# Altium PCB 28 pin project.PcbDoc (part 1 of 2)
Units mm, origin at the board's own origin, x right, y up, seen from the top; angles counter-clockwise.
Board outline 68.58 x 53.34 mm, 2 copper layers (L1, L2), stack 1.671 mm thick; 106 components, 71 nets, 323 pads, 100 vias.
Unrouted connection lines stored in the file: 1.
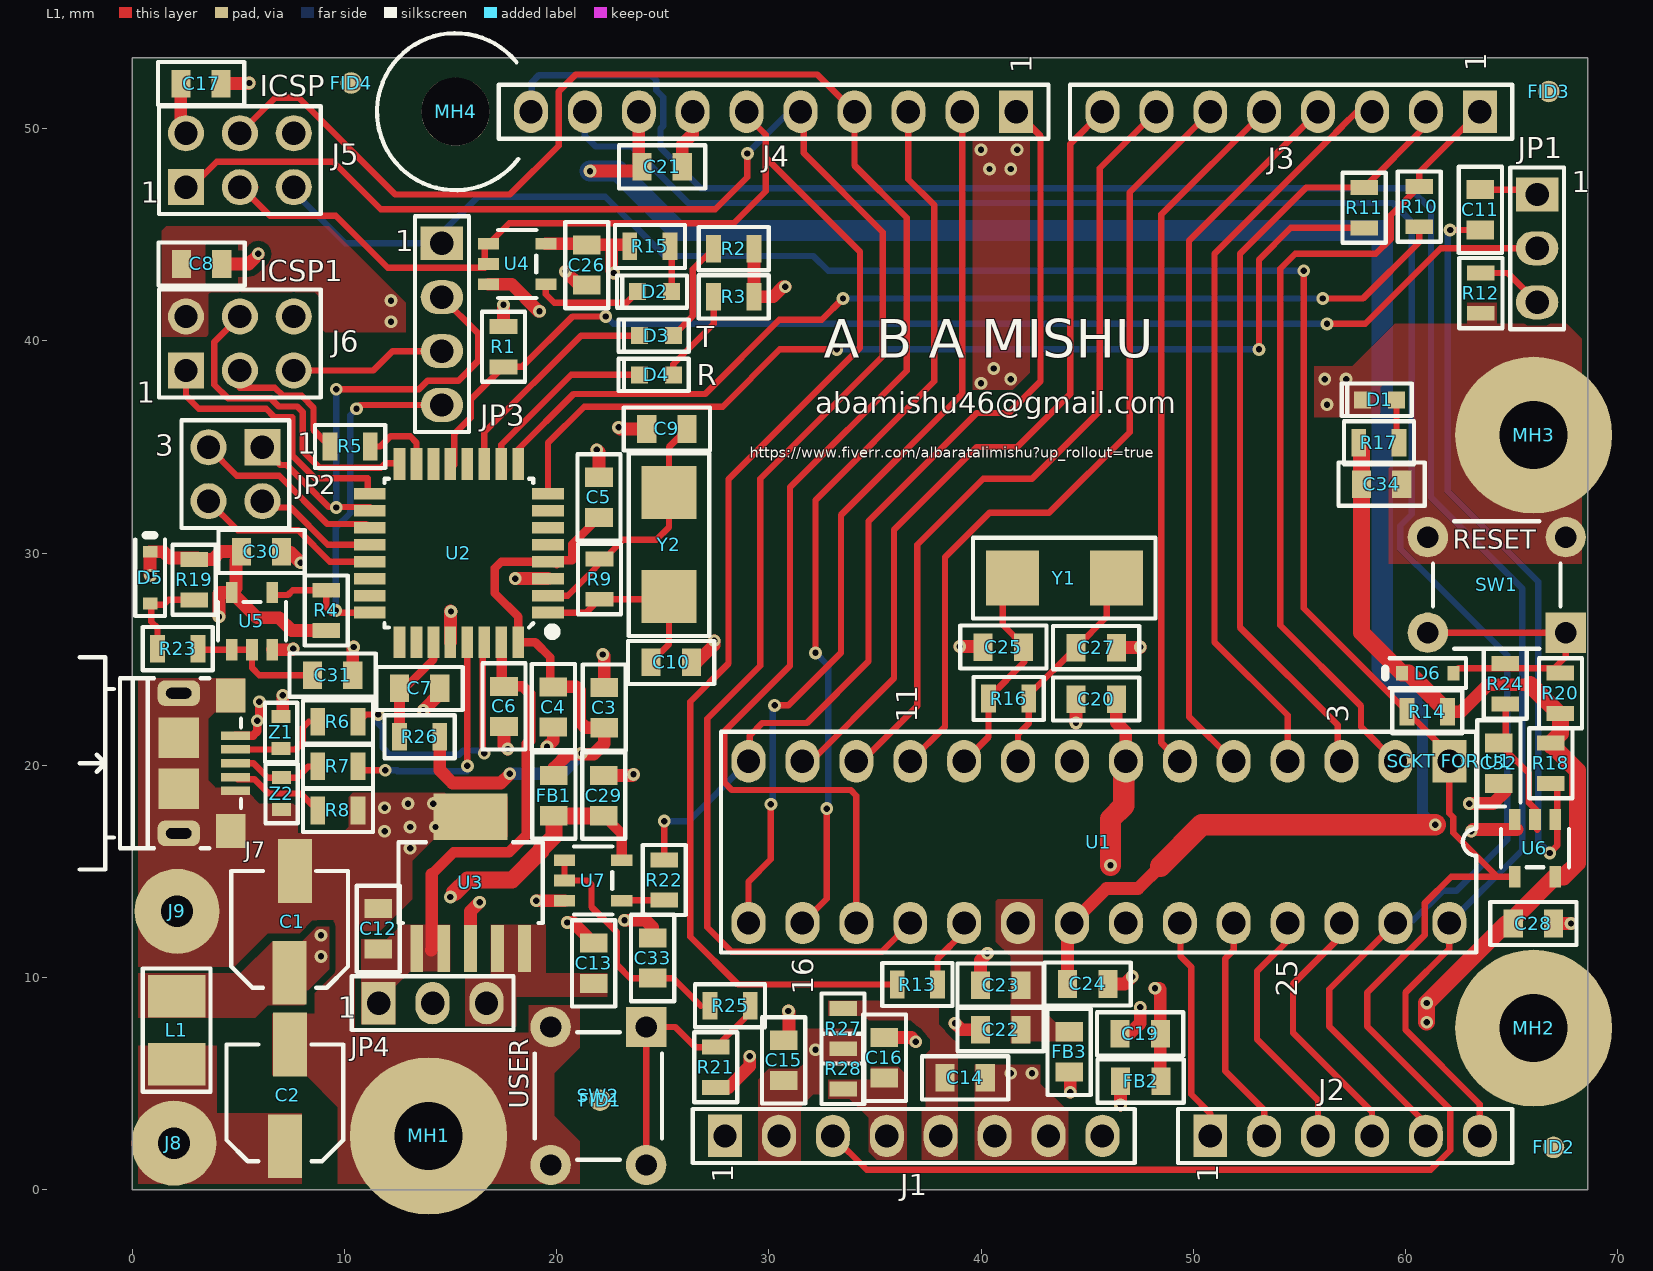
[diagram p0: L1 view]
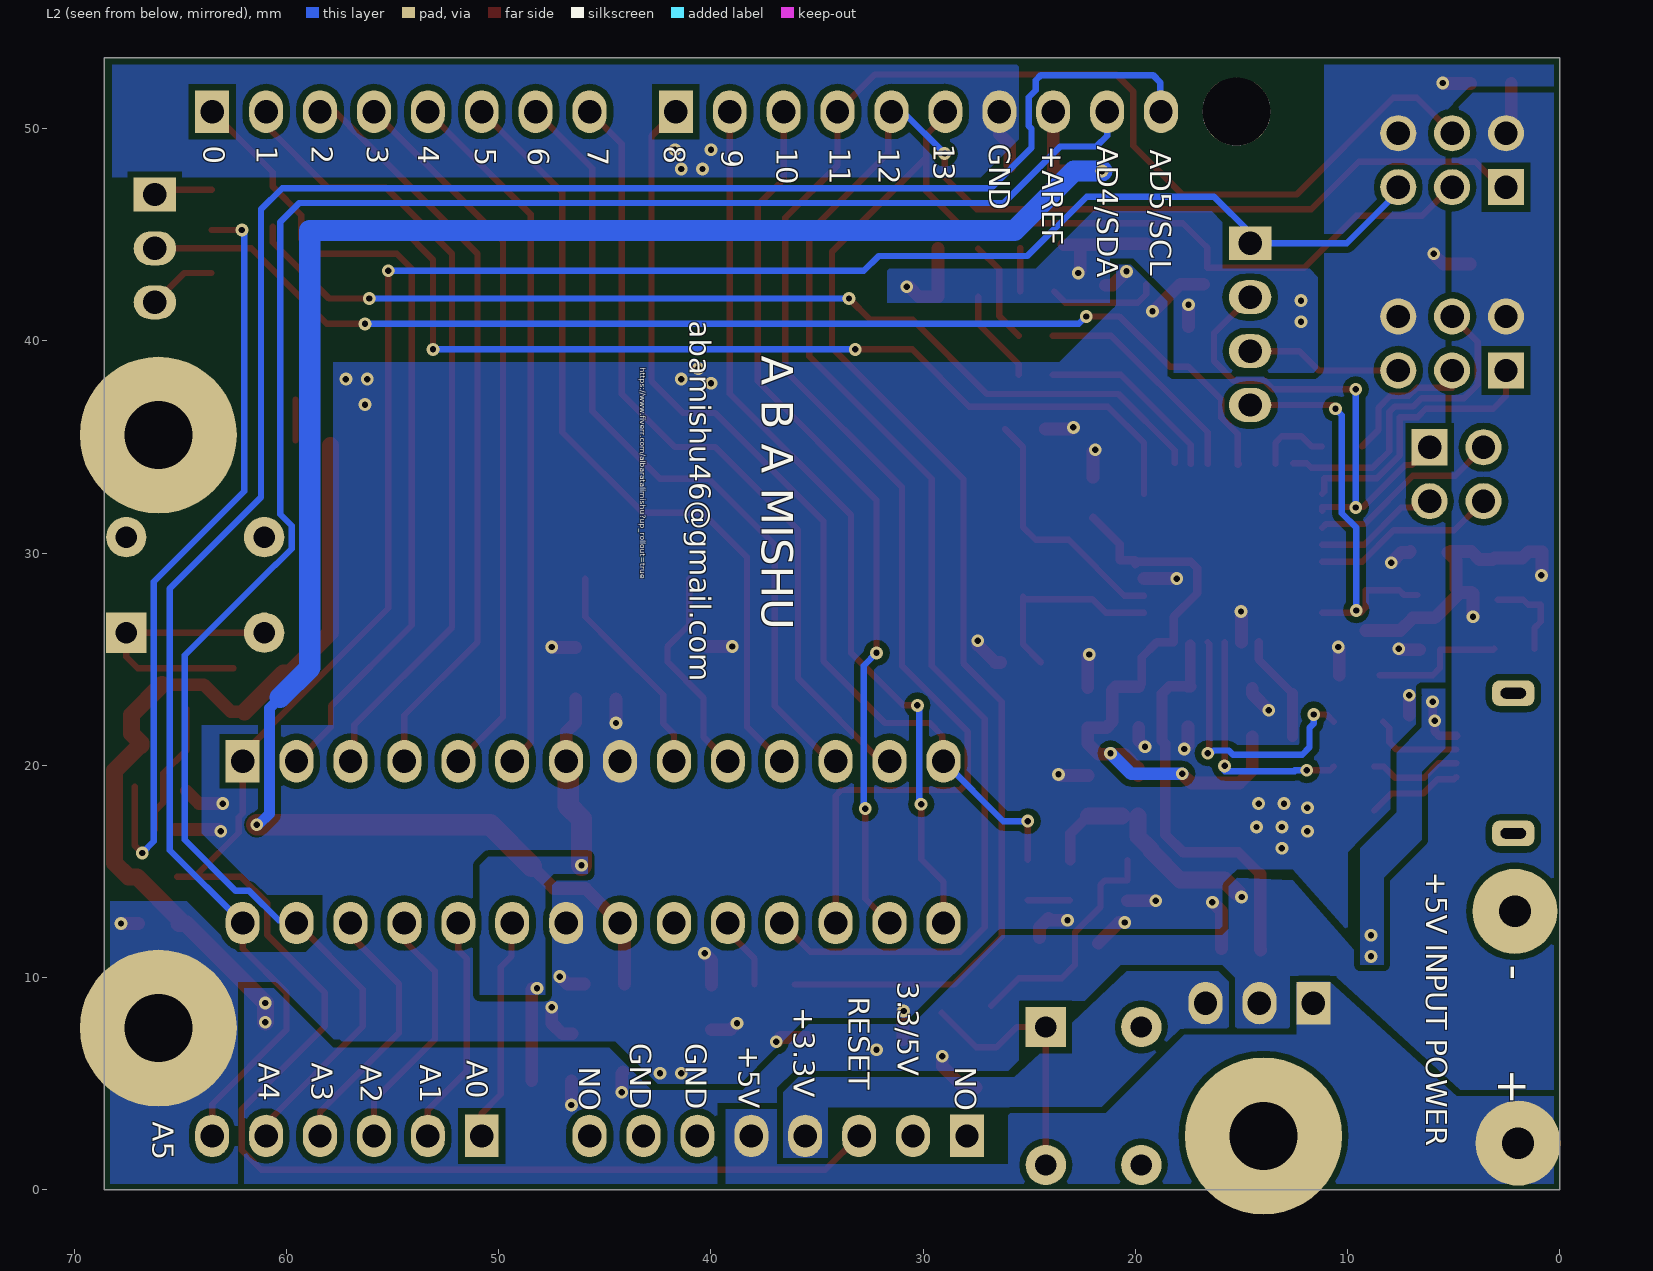
[diagram p1: L2 view, seen from below]

## Layer stack, top to bottom
Top Solder: solder mask 0.0102, Solder Resist, Dk 3.5
L1: signal copper 0.0356
Dielectric 1: dielectric 1.6, FR-4, Dk 4.8
L2: signal copper 0.0356
Bottom Solder: solder mask 0.0102, Solder Resist, Dk 3.5

## Board outline
0,0 68.58,0 68.58,53.34 0,53.34

## Design rules (kind name [scope] priority, off if disabled: settings)
Clearance "Around polygons" [IsRegion] p1: gap=0.3 ignorepadtopadclearanceinfootprint=FALSE
Clearance [All] p2: gap=0.2 ignorepadtopadclearanceinfootprint=FALSE
ComponentClearance "SW2 to FID1" [InComponent('SW2') vs InComponent('FID1')] p1: gap=0 collisioncheckmode=3 verticalgap=0 showdistances=FALSE
ComponentClearance "Power Resistors" [InComponent('R27') vs InComponent('R28')] p2: gap=0 collisioncheckmode=3 verticalgap=0 showdistances=FALSE
ComponentClearance "MH4 to FID4 and J4" [InComponent('MH4') vs InComponent('FID4')or InComponent('J4')] p3: gap=0 collisioncheckmode=3 verticalgap=0 showdistances=FALSE
ComponentClearance "DIP SOCKET to MH2 and U1" [InComponent('SCKT FOR U1') vs InComponent('MH2')or InComponent('U1')] p4: gap=0 collisioncheckmode=3 verticalgap=0 showdistances=FALSE
ComponentClearance "MH2 to J2" [InComponent('MH2') vs InComponent('J2')] p5: gap=0 collisioncheckmode=3 verticalgap=0 showdistances=FALSE
ComponentClearance [All] p6: gap=0.2 collisioncheckmode=3 verticalgap=0.2 showdistances=FALSE
HoleSize [All] p1: absolutevalues=TRUE maxlimit=10 minlimit=0.2 maxpercent=80.000 minpercent=20.000
HoleToHoleClearance [All] p1: gap=0.3 allowstackedmicrovias=TRUE
MinimumSolderMaskSliver [All] p1: minsoldermaskwidth=0.1
PolygonConnect [All] p1: connectstyle=Direct reliefconductorwidth=0.254 reliefentries=4 polygonreliefangle="90 Angle" airgapwidth=0.254
RoutingVias [All] p1: holewidth=0.3 width=0.6 viastyle="Through Hole" minholewidth=0.3 minwidth=0.6 maxholewidth=0.3 maxwidth=0.6
SilkToSilkClearance [All] p1: silktosilkclearance=0.1
SilkToSolderMaskClearance [IsPad] p1: minsilkscreentomaskgap=0.1 clearancetoexposedcopper=TRUE
SolderMaskExpansion [All] p1: expansion=0.1 istentingtop=FALSE
Width "Width POWERS" [InNet('+*') or InNet('GND')] p1: maxlimit=4 minlimit=0.4 preferedwidth=0.4
Width [All] p2: maxlimit=0.5 minlimit=0.3 preferedwidth=0.3
24 further rules are at their usual default settings.

## Components (designator, comment, footprint, x,y, rotation, side; value= is the part's Value field where it differs from the comment)
C1 "100u/ 10V" C_ALU_C_SIZE 7.425,12.275 r90 top
C2 "100u/ 10V" C_ALU_C_SIZE 7.2,4.1 r90 top
C3 "10uF/16V" "C0805 H150" 22.25,22.725 r270 top
C4 "100n" C0805 19.85,22.75 r90 top
C5 "100n" C0805 22,32.625 r270 top
C6 "100n" C0805 17.525,22.775 r90 top
C7 "1uF/25V" C0805 13.55,23.625 r180 top
C8 "100n" C0805 3.275,43.625 r180 top
C9 "18pF" C0805 25.2,35.85 r0 top
C10 "18pF" C0805 25.4,24.85 r180 top
C11 "100n" C0805 63.525,46.175 r90 top
C12 "10uF/16V" "C0805 H150" 11.6,12.3 r270 top
C13 "10uF/16V" "C0805 H150" 21.75,10.675 r270 top
C14 "100n" C0805 39.25,5.275 r180 top
C15 "100n" C0805 30.7,6.1 r270 top
C16 "100n" C0805 35.45,6.225 r270 top
C17 "100n" C0805 3.25,52.125 r180 top
C19 "10uF/16V" "C0805 H150" 47.5,7.35 r0 top
C20 "100n" C0805 45.425,23.125 r0 top
C21 "10uF/16V" "C0805 H150" 24.975,48.2 r180 top
C22 "10uF/16V" "C0805 H150" 40.925,7.55 r0 top
C23 "100n" C0805 40.925,9.65 r0 top
C24 "100n" C0805 45.025,9.7 r180 top
C25 "18pF" C0805 41.05,25.575 r0 top
C26 "100n" C0805 21.425,43.575 r90 top
C27 "18pF" C0805 45.425,25.55 r180 top
C28 "100n" C0805 66.025,12.55 r180 top
C29 "100n" C0805 22.225,18.575 r270 top
C30 "100n" C0805 6.1,30.075 r180 top
C31 "100n" C0805 9.45,24.25 r180 top
C32 "100n" C0805 64.4,20.1 r270 top
C33 "100n" C0805 24.525,10.925 r270 top
C34 "10uF/16V" "C0805 H150" 58.875,33.25 r180 top
D1 "Green" LED_0603 58.775,37.225 r0 top
D2 "Orange" LED_0603 24.625,42.325 r0 top
D3 "Orange" LED_0603 24.7,40.25 r0 top
D4 "Orange" LED_0603 24.7,38.4 r0 top
D5 "BAT54HT1GOSCT-ND" SOD323 0.85,28.844 r270 top
D6 "BAT54HT1GOSCT-ND" SOD323 61.05,24.35 r0 top
FB1 "MPZ2012S601AT000" C0805 19.875,18.575 r90 top
FB2 "MPZ2012S601AT000" C0805 47.525,5.125 r0 top
FB3 "MPZ2012S601AT000" C0805 44.15,6.5 r90 top
FID1 "FID_1MMC" FID_40X120D 22.05,4.225 r0 top
FID2 "FID_1MMC" FID_40X120D 66.975,2 r90 top
FID3 "FID_1MMC" FID_40X120D 66.75,51.75 r90 top
FID4 "FID_1MMC" FID_40X120D 10.325,52.15 r90 top
J1 "HDR FEMALE 1X8 2.54" "HDR FEMALE 1X8 2.54mm" 27.94,2.54 r90 top locked
J2 "HDR FEMALE 1X6 2.54mm" "HDR FEMALE 1X6 2.54mm" 50.8,2.54 r90 top locked
J3 "HDR FEMALE 1X8 2.54" "HDR FEMALE 1X8 2.54mm" 63.5,50.8 r270 top locked
J4 "HDR FEMALE 1X10 2.54mm" "HDR FEMALE 1X10 2.54mm" 41.656,50.8 r270 top locked
J5 "HDR 2X3" "HDR 2X3 2.54mm" 2.54,47.244 r90 top locked
J6 "HDR 2X3" "HDR 2X3 2.54mm" 2.54,38.608 r90 top locked
J7 "10118193-0001LF" 10118193 3.537,20.1 r270 top locked
J8 "4MMx1.5MM" PAD_WITH_HOLE_4MMx1.5MM 3.375,2.6 r0 top
J9 "4MMx1.5MM" PAD_WITH_HOLE_4MMx1.5MM 3.525,13.525 r0 top
JP1 "HDR 1X3" "HDR 1X3 2.54mm" 66.2,46.9 r0 top locked
JP2 "HDR 2X2" "HDR 2X2 2.54mm" 4.87,33.72 r270 top locked
JP3 "HDR 1X4" "HDR 1X4 2.54mm" 14.6,44.6 r0 top locked
JP4 "HDR 1X3" "HDR 1X3 2.54mm" 11.62,8.8 r90 top locked
L1 "2u2/2A" C1210_IND 2.1,7.525 r270 top
MH1 "MH_7.4MMC_3.2MMD" MH_7.4MMC_3.2MMD 13.97,2.54 r0 top locked
MH2 "MH_7.4MMC_3.2MMD" MH_7.4MMC_3.2MMD 66.04,7.62 r0 top locked
MH3 "MH_7.4MMC_3.2MMD" MH_7.4MMC_3.2MMD 66.04,35.56 r0 top locked
MH4 "MH_7.4MMNC_3.2MMD" "MH_7.4MMNC_3.2MMD_NON COPPER_NPTH" 15.24,50.8 r0 top locked
R1 "100K" R0805 17.5,39.725 r90 top
R2 "560R" R0805 28.35,44.35 r0 top
R3 "560R" R0805 28.35,42.075 r0 top
R4 "10K" R0805 9.15,27.3 r270 top
R5 "22R" R0805 10.275,35.025 r180 top
R6 "22R" R0805 9.7,22.05 r0 top
R7 "22R" R0805 9.7,19.95 r0 top
R8 "0R" R0805 9.7,17.875 r0 top
R9 "1M" R0805 22.025,28.775 r90 top
R10 "1K" R0805 60.65,46.325 r90 top
R11 "1K" R0805 58.05,46.275 r90 top
R12 "1K" R0805 63.55,42.25 r90 top
R13 "22R" R0805 37,9.675 r180 top
R14 "10K" R0805 61.025,22.525 r0 top
R15 "560R" R0805 24.4,44.45 r180 top
R16 "1M" R0805 41.3,23.15 r180 top
R17 "560R" R0805 58.75,35.2 r180 top
R18 "10K" R0805 66.85,20.1 r90 top
R19 "10K" R0805 2.925,28.75 r90 top
R20 "10K" R0805 67.3,23.4 r270 top
R21 "10K" R0805 27.5,5.775 r270 top
R22 "560R" R0805 25.075,14.6 r90 top
R23 "22R" R0805 2.15,25.5 r0 top
R24 "22R" R0805 64.7,23.85 r270 top
R25 "22R" R0805 28.175,8.675 r180 top
R26 "0R" R0805 13.55,21.35 r0 top
R27 "0R" R0805 33.5,7.6 r270 top
R28 "0R" R0805 33.5,5.7 r270 top
"SCKT FOR U1" "28-DIP SOCKET" 28_DIP_7.62MM_SOCKET 62.065,20.193 r270 top
SW1 "FSM4JH" FSM4JH 64.3,28.5 r270 top
SW2 "FSM4JH" FSM4JH 21.975,4.425 r0 top
U1 "ATMEGA328P-PU" 28_DIP_7.62MM 62.065,20.193 r270 top locked
U2 "ATMEGA16U2-AU" TQFP32 15.4,30 r180 top locked
U3 "TL1963A-33DCQR" DCQ(R-PDSO-G6) 15.95,14.475 r90 top
U4 "SN74AHC1G09DBVR" DVB_SOT_23_5 18.15,43.625 r0 top
U5 "SN74AHC1G09DBVR" DVB_SOT_23_5 5.65,26.8 r90 top
U6 "SN74AHC1G09DBVR" DVB_SOT_23_5 66.1,16.1 r270 top
U7 "SN74AHC1G09DBVR" DVB_SOT_23_5 21.725,14.575 r0 top
Y1 "ABM7-16.000MHZ-D2Y-T" ABM7_v1_1_BIG 43.925,28.825 r180 top
Y2 "ABM7-16.000MHZ-D2Y-T" ABM7_v1_1_BIG 25.3,30.4 r90 top
Z1 "CG0603MLC-05E" R0603 7.025,21.55 r270 top
Z2 "CG0603MLC-05E" R0603 7.05,18.675 r90 top

## Footprints (in the part's own frame and the unit in brackets; to place one, negate y for a bottom-side part, rotate by r counter-clockwise, add the part's x,y. Pads: shape width x height; smd on the part's side, far side on the other; paste and mask are expansions set on the pad)
28_DIP_7.62MM [mm]
  rect 2x1.6 hole 1.1: 1(0,0)
  oval 2x1.6 hole 1.1: 2(0,-2.54) 3(0,-5.08) 4(0,-7.62) 5(0,-10.16) 6(0,-12.7) 7(0,-15.24) 8(0,-17.78) 9(0,-20.32) 10(0,-22.86) 11(0,-25.4) 12(0,-27.94) 13(0,-30.48) 14(0,-33.02) 15(7.62,-33.02) 16(7.62,-30.48) 17(7.62,-27.94) 18(7.62,-25.4) 19(7.62,-22.86) 20(7.62,-20.32) 21(7.62,-17.78) 22(7.62,-15.24) 23(7.62,-12.7) 24(7.62,-10.16) 25(7.62,-7.62) 26(7.62,-5.08) 27(7.62,-2.54) 28(7.62,0)
  silkscreen extent -1.39,-34.31 9.01,1.27, body extent -0.13,-34.5 7.75,1.44, height 7.55
28_DIP_7.62MM_SOCKET [mm]
  body extent -1.24,-34.26 8.86,1.24, height 4.2
10118193 [mm]
  rect 0.4x1.35 smd mask+0.05: 1(-1.3,1.338) 2(-0.65,1.338) 3(0,1.338) 4(0.65,1.338) 5(1.3,1.338)
  rect 1.6x1.4 smd: 6(-3.2,1.112) 7(3.2,1.112)
  rrect60% 1.2x2 hole 0.5 slot 1.2 at 90 deg: 8(-3.3,-1.338) 9(3.3,-1.338)
  rect 1.9x1.9 smd: 10(-1.2,-1.338) 11(1.2,-1.338)
  silkscreen extent -5,-6 5,1.6, body extent -3.93,-4.06 3.93,1.6, height 2.81
ABM7_v1_1_BIG [mm]
  rect 2.5x2.6 smd: 1(-2.45,0) 2(2.45,0)
  silkscreen extent -4.3,-1.9 4.3,1.9, body extent -3,-1.75 3,1.75, height 1.41
C0805 [mm]
  rect 0.9x1.3 smd: 1(-0.95,0) 2(0.95,0)
  silkscreen extent -2.03,-1.02 2.03,1.02, body extent -1,-0.6 1,0.6, height 0.96
"C0805 H150" [mm]
  rect 0.9x1.3 smd: 1(-0.95,0) 2(0.95,0)
  silkscreen extent -2.03,-1.02 2.03,1.02, body extent -1,-0.6 1,0.6, height 1.46
C1210_IND [mm]
  rect 2x2.7 smd: 1(-1.6,0) 2(1.6,0)
  silkscreen extent -2.9,-1.6 2.9,1.6, body extent -1.6,-1.25 1.6,1.25, height 2.7
C_ALU_C_SIZE [mm]
  rect 3x1.6 smd: 1(-2.05,0) 2(2.75,-0.25)
  silkscreen extent -2.75,-2.75 2.75,2.75, body extent -2.95,-2.65 2.95,2.65, height 5.41
DCQ(R-PDSO-G6) [mm]
  rect 2.2x0.6 smd: 1(-3.1,2.54) 2(-3.1,1.27) 3(-3.1,0) 4(-3.1,-1.27) 5(-3.1,-2.54)
  rect 2.2x3.5 smd: 6(3.1,0)
  silkscreen extent -1.9,-3.4 1.9,3.4, body extent -3.63,-3.27 3.63,3.28, height 1.79
DVB_SOT_23_5 [mm]
  rect 1x0.55 smd: 1(-1.35,0.95) 2(-1.35,0) 3(-1.35,-0.95) 4(1.35,-0.95) 5(1.35,0.95)
  silkscreen extent -0.9,-1.6 0.9,1.6, body extent -1.51,-1.52 1.51,1.53, height 1.61
FID_40X120D [mil]
  round 40 smd paste-40 mask+40: 1(0,0)
FSM4JH [mm]
  rect 1.9x1.9 hole 1: 1(2.25,3.25)
  round 1.9 hole 1: 2(2.25,-3.25) 3(-2.25,3.25) 4(-2.25,-3.25)
  silkscreen extent -3,-3 3,3, body extent -3,-3.9 2.99,3.9, height 5
"HDR 1X3 2.54mm" [mm]
  rect 2x1.6 hole 1.1: 1(0,0)
  oval 2x1.6 hole 1.1: 2(0,-2.54) 3(0,-5.08)
  silkscreen extent -1.27,-6.35 1.27,1.27, body extent -1.2,-6.15 1.2,1.07, height 8.39
"HDR 1X4 2.54mm" [mm]
  rect 2x1.6 hole 1.1: 1(0,0)
  oval 2x1.6 hole 1.1: 2(0,-2.54) 3(0,-5.08) 4(0,-7.62)
  silkscreen extent -1.27,-8.89 1.27,1.27, body extent -1.2,-8.69 1.2,1.07, height 8.39
"HDR 2X2 2.54mm" [mm]
  rect 1.7x1.7 hole 1.1: 1(-1.27,1.27)
  round 1.7 hole 1.1: 2(1.27,1.27) 3(-1.27,-1.27) 4(1.27,-1.27)
  silkscreen extent -2.54,-2.54 2.54,2.54, body extent -2.46,-2.5 2.54,2.58, height 8.01
"HDR 2X3 2.54mm" [mm]
  rect 1.7x1.7 hole 1.1: 1(0,0)
  round 1.7 hole 1.1: 2(2.54,0) 3(0,-2.54) 4(2.54,-2.54) 5(0,-5.08) 6(2.54,-5.08)
  silkscreen extent -1.27,-6.35 3.81,1.27, body extent -1.23,-6.35 3.77,1.27, height 8.01
"HDR FEMALE 1X6 2.54mm" [mm]
  rect 2x1.6 hole 1.1: 1(0,0)
  oval 2x1.6 hole 1.1: 2(0,-2.54) 3(0,-5.08) 4(0,-7.62) 5(0,-10.16) 6(0,-12.7)
  silkscreen extent -1.27,-14.22 1.27,1.52, body extent -1.25,-14.17 1.25,1.47, height 8.31
"HDR FEMALE 1X8 2.54mm" [mm]
  rect 2x1.6 hole 1.1: 1(0,0)
  oval 2x1.6 hole 1.1: 2(0,-2.54) 3(0,-5.08) 4(0,-7.62) 5(0,-10.16) 6(0,-12.7) 7(0,-15.24) 8(0,-17.78)
  silkscreen extent -1.27,-19.3 1.27,1.52, body extent -1.25,-19.25 1.25,1.47, height 8.31
"HDR FEMALE 1X10 2.54mm" [mm]
  rect 2x1.6 hole 1.1: 1(0,0)
  oval 2x1.6 hole 1.1: 2(0,-2.54) 3(0,-5.08) 4(0,-7.62) 5(0,-10.16) 6(0,-12.7) 7(0,-15.24) 8(0,-17.78) 9(0,-20.32) 10(0,-22.86)
  silkscreen extent -1.27,-24.38 1.27,1.52, body extent -1.25,-24.33 1.25,1.47, height 8.31
LED_0603 [mm]
  rect 0.8x0.8 smd: 1(-0.8,0) 2(0.8,0)
  silkscreen extent -1.78,-0.76 1.52,0.76, body extent -0.85,-0.4 0.85,0.4, height 0.66
MH_7.4MMC_3.2MMD [mm]
  round 7.4 hole 3.2: 1(0,0)
"MH_7.4MMNC_3.2MMD_NON COPPER_NPTH" [mm]
  round 3.2 hole 3.2 unplated: 1(0,0)
  silkscreen extent -3.7,-3.7 2.96,3.7
PAD_WITH_HOLE_4MMx1.5MM [mm]
  round 4 hole 1.5: 1(-1.4,-0.4)
R0603 [mm]
  rect 0.6x0.9 smd: 1(-0.75,0) 2(0.75,0)
  silkscreen extent -1.4,-0.76 1.4,0.76, body extent -0.8,-0.4 0.8,0.4, height 0.85
R0805 [mm]
  rect 0.7x1.3 smd: 1(-0.95,0) 2(0.95,0)
  silkscreen extent -1.65,-1.02 1.65,1.02, body extent -1,-0.6 1,0.6, height 0.71
SOD323 [mil]
  rect 22x27 smd: 1(-48,0) 2(48,0)
  silkscreen extent -79,-28 71,28, body extent -49,-25 49,25, height 39
TQFP32 [mm]
  rect 1.5x0.55 smd mask+0.06: 1(-4.2,2.8) 2(-4.2,2) 3(-4.2,1.2) 4(-4.2,0.4) 5(-4.2,-0.4) 6(-4.2,-1.2) 7(-4.2,-2) 8(-4.2,-2.8) 17(4.2,-2.8) 18(4.2,-2) 19(4.2,-1.2) 20(4.2,-0.4) 21(4.2,0.4) 22(4.2,1.2) 23(4.2,2) 24(4.2,2.8)
  rect 0.55x1.5 smd mask+0.06: 9(-2.8,-4.2) 10(-2,-4.2) 11(-1.2,-4.2) 12(-0.4,-4.2) 13(0.4,-4.2) 14(1.2,-4.2) 15(2,-4.2) 16(2.8,-4.2) 25(2.8,4.2) 26(2,4.2) 27(1.2,4.2) 28(0.4,4.2) 29(-0.4,4.2) 30(-1.2,4.2) 31(-2,4.2) 32(-2.8,4.2)
  silkscreen extent -4.54,-3.5 3.5,3.84, body extent -4.6,-4.6 4.6,4.6, height 1.2

## Part data
C1 C2: library part EEE-1AA101WR, "Cap Aluminum 100uF 10V 20% (5 X 5.4mm) SMD 50mA 1000 hr 85°C T/R", Capacitance=100uF, Case/Package=Radial, Manufacturer=Panasonic, Max Operating Temperature=85°C, Min Operating Temperature=-40°C, Package Quantity=1, Ripple Current=50mA, Supplier Part Number 1=PCE3867DKR-ND, Tolerance=20%, Voltage Rating=10V, ComponentLink1Description=https://industrial.panasonic.com/cdbs/www-data/pdf/RDE0000/DME0000COL90.pdf?src-supplier=Mouser, ComponentLink1URL=https://industrial.panasonic.com/cdbs/www-data/pdf/RDE0000/DME0000COL90.pdf?src-supplier=Mouser, ComponentLink2Description=https://industrial.panasonic.com/cdbs/www-data/pdf/RDE0000/DME0000COL90.pdf?src-supplier=Allied+Electronics, ComponentLink2URL=https://industrial.panasonic.com/cdbs/www-data/pdf/RDE0000/DME0000COL90.pdf?src-supplier=Allied+Electronics, ComponentLink3Description=https://industrial.panasonic.com/cdbs/www-data/pdf/RDE0000/DME0000COL90.pdf?src-supplier=Avnet, ComponentLink3URL=https://industrial.panasonic.com/cdbs/www-data/pdf/RDE0000/DME0000COL90.pdf?src-supplier=Avnet, ComponentLink4Description=http://industrial.panasonic.com/www-data/pdf/ABA0000/ABA0000CE2.pdf?src-supplier=Future+Electronics, ComponentLink4URL=http://industrial.panasonic.com/www-data/pdf/ABA0000/ABA0000CE2.pdf?src-supplier=Future+Electronics, ComponentLink5Description=https://industrial.panasonic.com/cdbs/www-data/pdf/RDE0000/DME0000COL90.pdf?src-supplier=Verical, ComponentLink5URL=https://industrial.panasonic.com/cdbs/www-data/pdf/RDE0000/DME0000COL90.pdf?src-supplier=Verical, Construction=Cylindrical, Contact Plating=Tin, Diameter=5mm, Height=5.4mm, Height - Seated (Max)=0.213inch, Lead Free="Lead Free", Length=5.5mm, Life (Hours)=1000Hour, Manufacturer Part Number=EEE-1AA101WR, Mount="Surface Mount,PCB", Packaging="Tape and Reel", Pricing 1="1=0.39, 10=0.266, 50=0.1772, 100=0.1505, 500=0.1063 (USD)", Radiation Hardening=No, REACH SVHC=Unknown, Ripple Current (AC)=50mA, RoHS Compliant=Yes, Series=S, Stock 1=0, Supplier 1=Digi-Key, Termination=SMD/SMT, Voltage Rating (DC)=10V
C3 C12 C13 C19 C21 C22 C34: library part C2012X5R1C106M125AC, "CERAMIC CAPACITOR, 10UF, 16V, X5R, 20%, 0805, FULL REEL; Product Range:C Series; Capacitance:10 F; Capacitance Tolerance: 20%; Dielectric Characteristic:X5R; Voltage Rating:16V; Ceramic Capacitor Case:0805 [2012 Metric]; MSL:- ;RoHS Compliant: Yes", Capacitance=10uF, Case/Package=0805, Case Code (Metric)=2012, Dielectric=X5R, Dielectric Material=Ceramic, Manufacturer=TDK, Max Operating Temperature=85°C, Min Operating Temperature=-55°C, Package Quantity=1, Supplier Part Number 1=445-4115-6-ND, Tolerance=20%, Voltage Rating=16V, Case Code (Imperial)=0805, ComponentLink1Description=https://product.tdk.com/info/en/documents/chara_sheet/C2012X5R1C106M125AC.pdf?src-supplier=Newark, ComponentLink1URL=https://product.tdk.com/info/en/documents/chara_sheet/C2012X5R1C106M125AC.pdf?src-supplier=Newark, ComponentLink2Description=http://www.farnell.com/datasheets/1913358.pdf?src-supplier=Element14, ComponentLink2URL=http://www.farnell.com/datasheets/1913358.pdf?src-supplier=Element14, ComponentLink3Description=https://media.digikey.com/pdf/Data%20Sheets/TDK%20PDFs/Multilayer%20Ceramic%20Chip%20Cap(up%20to%2050V).pdf?src-supplier=Digi-Key, ComponentLink3URL=https://media.digikey.com/pdf/Data%20Sheets/TDK%20PDFs/Multilayer%20Ceramic%20Chip%20Cap(up%20to%2050V).pdf?src-supplier=Digi-Key, Depth=1.25mm, Height=1.25mm, Lead Free="Lead Free", Length=0.079inch, Manufacturer Part Number=C2012X5R1C106M125AC, Mount="Surface Mount", Number of Pins=2, Packaging="Tape and Reel", REACH SVHC="No SVHC", Resistor Type=Ceramic, RoHS Compliant=Yes, Series=C, Stock 1=0, Supplier 1=Digi-Key, Termination=SMD/SMT, Thickness=0.057inch, Voltage Rating (DC)=16V, Weight=0.000194oz, Width=0.049inch
C4 C5 C6 C8 C11 C14 C15 C16 C17 C20 C23 C24 C26 C28 C29 C30 C31 C32 C33: library part C2012X7R1H104K085AA, "TDK - C2012X7R1H104K085AA - SMD Multilayer Ceramic Capacitor, 0.1 µF, 50 V, 0805 [2012 Metric], ± 10%, X7R, C Series", Capacitance=100nF, Case/Package=0805, Case Code (Metric)=2012, Dielectric=X7R, Dielectric Material=Ceramic, Manufacturer=TDK, Max Operating Temperature=125°C, Min Operating Temperature=-55°C, Package Quantity=1, Supplier Part Number 1=445-7534-6-ND, Tolerance=10%, Voltage=50V, Case Code (Imperial)=0805, ComponentLink1Description=http://www.farnell.com/datasheets/1796654.pdf?src-supplier=Newark, ComponentLink1URL=http://www.farnell.com/datasheets/1796654.pdf?src-supplier=Newark, ComponentLink2Description=http://www.farnell.com/datasheets/1571323.pdf?src-supplier=Element14, ComponentLink2URL=http://www.farnell.com/datasheets/1571323.pdf?src-supplier=Element14, ComponentLink3Description=https://product.tdk.com/info/en/catalog/datasheets/mlcc_commercial_general_en.pdf?src-supplier=Digi-Key, ComponentLink3URL=https://product.tdk.com/info/en/catalog/datasheets/mlcc_commercial_general_en.pdf?src-supplier=Digi-Key, ComponentLink4Description=http://uk.rs-online.com/webdocs/1532/0900766b81532cd0.pdf?src-supplier=RSComponents, ComponentLink4URL=http://uk.rs-online.com/webdocs/1532/0900766b81532cd0.pdf?src-supplier=RSComponents, ComponentLink5Description=http://www.tdk.co.jp/tefe02/e412_c.pdf?src-supplier=Future+Electronics, ComponentLink5URL=http://www.tdk.co.jp/tefe02/e412_c.pdf?src-supplier=Future+Electronics, Construction=Flat, Depth=1.25mm, Height=0.85mm, Lead Free="Lead Free", Length=2mm, Manufacturer Part Number=C2012X7R1H104K085AA, Mount="Surface Mount", Number of Pins=2, Packaging="Tape and Reel", Pricing 1="1=0.15, 10=0.109, 50=0.0616, 100=0.051, 500=0.0358, 1000=0.0296 (USD)", Radiation Hardening=No, REACH SVHC="No SVHC", Resistor Type=Ceramic, RoHS Compliant=Yes, Series=C, Stock 1=570877, Supplier 1=Digi-Key, Termination=SMD/SMT, Thickness=0.037inch, Voltage Rating=50V, Voltage Rating (DC)=50V, Weight=0.000194oz, Width=0.049inch
C7: library part C2012X5R1E105K125AA, "TDK - C2012X5R1E105K125AA - SMD Multilayer Ceramic Capacitor, 1 µF, 25 V, 0805 [2012 Metric], ± 10%, X5R, C Series", Capacitance=1uF, Case/Package=0805, Case Code (Metric)=2012, Dielectric=X5R, Dielectric Material=Ceramic, Manufacturer=TDK, Max Operating Temperature=85°C, Min Operating Temperature=-55°C, Package Quantity=2000, Supplier Part Number 1=445-1419-2-ND, Tolerance=10%, Voltage=25V, Case Code (Imperial)=0805, ComponentLink1Description=http://www.farnell.com/datasheets/1744655.pdf?src-supplier=Element14, ComponentLink1URL=http://www.farnell.com/datasheets/1744655.pdf?src-supplier=Element14, ComponentLink2Description=http://uk.rs-online.com/webdocs/1532/0900766b81532cd0.pdf?src-supplier=RSComponents, ComponentLink2URL=http://uk.rs-online.com/webdocs/1532/0900766b81532cd0.pdf?src-supplier=RSComponents, ComponentLink3Description=http://www.tdk.co.jp/tefe02/e412_c.pdf?src-supplier=Future+Electronics, ComponentLink3URL=http://www.tdk.co.jp/tefe02/e412_c.pdf?src-supplier=Future+Electronics, ComponentLink4Description=https://product.tdk.com/info/en/catalog/spec/mlccspec_commercial_general_midvoltage_en.pdf?src-supplier=Verical, ComponentLink4URL=https://product.tdk.com/info/en/catalog/spec/mlccspec_commercial_general_midvoltage_en.pdf?src-supplier=Verical, Construction=Flat, Depth=1.25mm, Height=1.25mm, Lead Free="Lead Free", Length=2mm, Manufacturer Part Number=C2012X5R1E105K125AA, Mount="Surface Mount", Number of Pins=2, Packaging="Tape and Reel", Pricing 1="2000=0.0486 (USD)", Radiation Hardening=No, REACH SVHC="No SVHC", Resistor Type=Ceramic, RoHS Compliant=Yes, Series=C, Stock 1=14000, Supplier 1=Digi-Key, Termination=SMD/SMT, Thickness=0.057inch, Voltage Rating=25V, Voltage Rating (DC)=25V, Weight=0.000194oz, Width=0.049inch
C9 C10 C25 C27: library part C0805C180J5GACTU, "CAP CER 18PF 50V C0G/NP0 0805", Case/Package=0805, Case Code (Metric)=2012, Dielectric=C0G, Dielectric Material=Ceramic, Manufacturer=KEMET, Max Operating Temperature=125°C, Min Operating Temperature=-55°C, Package Quantity=1, Supplier Part Number 1=399-1112-6-ND, Temperature Coefficient=30ppm/°C, Tolerance=5%, Voltage=50V, Capacitance=18pF, Case Code (Imperial)=0805, ComponentLink1Description=http://www.farnell.com/datasheets/1769375.pdf?src-supplier=Element14, ComponentLink1URL=http://www.farnell.com/datasheets/1769375.pdf?src-supplier=Element14, ComponentLink2Description=https://www.verical.com/server-webapp/html/getDatasheet?partID=759702&src-supplier=Verical, ComponentLink2URL=https://www.verical.com/server-webapp/html/getDatasheet?partID=759702&src-supplier=Verical, ComponentLink3Description=https://www.verical.com/server-webapp/html/getDatasheet?partID=385668&src-supplier=Verical, ComponentLink3URL=https://www.verical.com/server-webapp/html/getDatasheet?partID=385668&src-supplier=Verical, Construction=Flat, Contact Material=Tin, Contact Plating=Tin,Matte, Depth=1.25mm, Dissipation Factor=0.1%, Height=0.78mm, Lead Free="Lead Free", Lead Pitch=0.75mm, Length=2mm, Manufacturer Part Number=C0805C180J5GACTU, Mount="Surface Mount,PCB", Number of Pins=2, Packaging="Tape and Reel", Pricing 1="1=0.13, 10=0.09, 50=0.0514, 100=0.0425, 500=0.0298, 1000=0.0247 (USD)", Radiation Hardening=No, REACH SVHC="No SVHC", RoHS Compliant=Yes, Series=C, Stock 1=40735, Supplier 1=Digi-Key, Termination=SMD/SMT, Thickness=0.035inch, Voltage Rating=50V, Voltage Rating (DC)=50V, Width=1.2mm
D1: library part LGL29K-G2J1-24-Z, "LED Uni-Color Green 572nm 2-Pin Chip 0603(1608Metric) T/R", Case/Package=0603, Case Code (Metric)=1608, Forward Current=20mA, Forward Voltage=2.2V, Lens Color=White, Manufacturer="Osram Opto", Max Operating Temperature=100°C, Min Operating Temperature=-40°C, Package Quantity=5000, Reverse Voltage=12V, Supplier Part Number 1=475-2709-2-ND, Test Current=2mA, Case Code (Imperial)=0603, Color=Green, ComponentLink1Description=https://dammedia.osram.info/media/resource/hires/osram-dam-2493945/LG%20L29K.pdf?src-supplier=Digi-Key, ComponentLink1URL=https://dammedia.osram.info/media/resource/hires/osram-dam-2493945/LG%20L29K.pdf?src-supplier=Digi-Key, ComponentLink2Description=http://www.mouser.com/ds/2/311/LG%20L29K%20-%20SMARTLED%200603-335234.pdf?src-supplier=Mouser, ComponentLink2URL=http://www.mouser.com/ds/2/311/LG%20L29K%20-%20SMARTLED%200603-335234.pdf?src-supplier=Mouser, ComponentLink3Description=https://www.verical.com/server-webapp/html/getDatasheet?partID=571127&src-supplier=Verical, ComponentLink3URL=https://www.verical.com/server-webapp/html/getDatasheet?partID=571127&src-supplier=Verical, Depth=0.8mm, Dominant Wavelength=570nm, Height=0.65mm, Illumination Color=Green, Length=1.3mm, Lens Size=0.8mm, Lens Style=Flat,Diffused,Colorless,Rectangular, Lens Transparency=Diffused, Luminous Flux=0.012lm, Luminous Intensity=5.6mcd, Manufacturer Part Number=LGL29K-G2J1-24-Z, Mount="Surface Mount", Number of Elements=1, Number of LEDs=1, Number of Pins=2, Packaging="Tape and Reel", Pricing 1="5000=0.1015, 10000=0.0925, 25000=0.0865, 50000=0.0845 (USD)", Radiation Hardening=No, RoHS Compliant=Yes, Series=SmartLED, Stock 1=0, Supplier 1=Digi-Key, Viewing Angle=160°, Width=0.8mm
D2 D3 D4: library part LOL29K-H2K1-24-Z, "OSRAM - LO L29K-H2K1-24-Z - SMARTLED 0603 ORANGE", Case/Package=0603, Case Code (Metric)=1608, Forward Current=20mA, Forward Voltage=2.2V, Lens Color=White, Manufacturer="Osram Opto", Max Operating Temperature=100°C, Min Operating Temperature=-40°C, Package Quantity=5000, Reverse Voltage=12V, Supplier Part Number 1=475-2740-6-ND, Test Current=2mA, Case Code (Imperial)=0603, Color=Orange, ComponentLink1Description=https://dammedia.osram.info/media/resource/hires/osram-dam-2493882/LO%20L29K.pdf?src-supplier=Digi-Key, ComponentLink1URL=https://dammedia.osram.info/media/resource/hires/osram-dam-2493882/LO%20L29K.pdf?src-supplier=Digi-Key, ComponentLink2Description=https://www.verical.com/server-webapp/html/getDatasheet?partID=693885&src-supplier=Verical, ComponentLink2URL=https://www.verical.com/server-webapp/html/getDatasheet?partID=693885&src-supplier=Verical, Depth=0.8mm, Dominant Wavelength=606nm, Height=0.65mm, Illumination Color=Orange, Length=1.3mm, Lens Size=0.8mm, Lens Style=Flat,Diffused,Colorless,Rectangular, Lens Transparency=Diffused, Luminous Flux=0.025lm, Luminous Intensity=9mcd, Manufacturer Part Number=LOL29K-H2K1-24-Z, Mount="Surface Mount", Number of Elements=1, Number of LEDs=1, Number of Pins=2, Packaging="Tape and Reel", Radiation Hardening=No, RoHS Compliant=Yes, Series=SmartLED, Stock 1=0, Supplier 1=Digi-Key, Viewing Angle=160°, Width=0.8mm
D5 D6: library part BAT54HT1G, "Small Signal Schottky Diode, Single, 30 V, 200 mA, 800 mV, 600 mA, 150 C ;RoHS Compliant: Yes", Average Rectified Current=200mA, Capacitance=10pF, Forward Voltage=800mV, Manufacturer="ON Semiconductor / Fairchild", Max Forward Surge Current (Ifsm)=600mA, Max Operating Temperature=150°C, Max Repetitive Reverse Voltage (Vrrm)=30V, Max Reverse Current=2uA, Min Operating Temperature=-55°C, Package Quantity=3000, Power Dissipation=200mW, Supplier Part Number 1=BAT54HT1GDKR-ND, ComponentLink1Description=http://www.fairchildsemi.com/datasheets/BA/BAT54HT1G.pdf?src-supplier=Digi-Key, ComponentLink1URL=http://www.fairchildsemi.com/datasheets/BA/BAT54HT1G.pdf?src-supplier=Digi-Key, ComponentLink2Description=http://www.jameco.com/Jameco/Products/ProdDS/806549.pdf?src-supplier=Jameco, ComponentLink2URL=http://www.jameco.com/Jameco/Products/ProdDS/806549.pdf?src-supplier=Jameco, ComponentLink3Description=http://uk.rs-online.com/webdocs/11a6/0900766b811a63a9.pdf?src-supplier=RSComponents, ComponentLink3URL=http://uk.rs-online.com/webdocs/11a6/0900766b811a63a9.pdf?src-supplier=RSComponents, ComponentLink4Description=http://www.fairchildsemi.com/ds/BA/BAT54HT1G.pdf?src-supplier=Future+Electronics, ComponentLink4URL=http://www.fairchildsemi.com/ds/BA/BAT54HT1G.pdf?src-supplier=Future+Electronics, ComponentLink5Description=https://media.digikey.com/pdf/Data%20Sheets/Fairchild%20PDFs/BAT54HT1G_Rev_1.2.pdf?src-supplier=Avnet, ComponentLink5URL=https://media.digikey.com/pdf/Data%20Sheets/Fairchild%20PDFs/BAT54HT1G_Rev_1.2.pdf?src-supplier=Avnet, ComponentLink6Description=http://www.onsemi.com/pub/Collateral/BAT54HT1-D.PDF?src-supplier=Avnet, ComponentLink6URL=http://www.onsemi.com/pub/Collateral/BAT54HT1-D.PDF?src-supplier=Avnet, ComponentLink7Description=https://media.digikey.com/pdf/Data%20Sheets/Fairchild%20PDFs/BAT54HT1G_Rev_1.2.pdf?src-supplier=Mouser, ComponentLink7URL=https://media.digikey.com/pdf/Data%20Sheets/Fairchild%20PDFs/BAT54HT1G_Rev_1.2.pdf?src-supplier=Mouser, ComponentLink8Description=http://www.mouser.com/ds/2/149/BAT54HT1G-104602.pdf?src-supplier=Mouser, ComponentLink8URL=http://www.mouser.com/ds/2/149/BAT54HT1G-104602.pdf?src-supplier=Mouser, ComponentLink9Description=http://www.farnell.com/datasheets/2251626.pdf?src-supplier=Newark, ComponentLink9URL=http://www.farnell.com/datasheets/2251626.pdf?src-supplier=Newark, ComponentLink10Description=http://www.farnell.com/datasheets/2251626.pdf?src-supplier=Element14, ComponentLink10URL=http://www.farnell.com/datasheets/2251626.pdf?src-supplier=Element14, ComponentLink11Description=http://www.onsemi.com/pub/Collateral/BAT54HT1-D.PDF?src-supplier=Digi-Key, ComponentLink11URL=http://www.onsemi.com/pub/Collateral/BAT54HT1-D.PDF?src-supplier=Digi-Key, ComponentLink12Description=http://www.farnell.com/datasheets/1727620.pdf?src-supplier=Element14, ComponentLink12URL=http://www.farnell.com/datasheets/1727620.pdf?src-supplier=Element14, ComponentLink13Description=http://www.produktinfo.conrad.com/datenblaetter/1200000-1299999/001262925-da-01-en-DIODE_SCHOTTKY_30V_BAT54HT1G_SOD_323_FSC.pdf?src-supplier=Conrad, ComponentLink13URL=http://www.produktinfo.conrad.com/datenblaetter/1200000-1299999/001262925-da-01-en-DIODE_SCHOTTKY_30V_BAT54HT1G_SOD_323_FSC.pdf?src-supplier=Conrad, Contact Plating=Tin,Matte, Current Rating=200mA, Element Configuration=Single, Forward Current=200mA, Height=1mm, Lead Free="Lead Free", Length=1.8mm, Manufacturer Part Number=BAT54HT1GOSCT-ND, Max Reverse Leakage Current=2uA, Max Reverse Voltage (DC)=30V, Max Surge Current=600mA, Mount="Surface Mount", Number of Pins=2, Output Current=200mA, Packaging="Tape and Reel", Peak Non-Repetitive Surge Current=600mA, Polarity=Standard, Radiation Hardening=No, REACH SVHC="No SVHC", Recovery Time=5ns, Reverse Recovery Time=5ns, Reverse Voltage=30V, RoHS Compliant=Yes, Stock 1=0, Supplier 1=Digi-Key, Voltage Rating (DC)=30V, Width=1.35mm
FB1 FB2 FB3: "FERRITE BEAD 600 OHM 0805 1LN", Case/Package=0805, Case Code (Metric)=2012, Current Rating=2A, DC Resistance (DCR)=100mR, Manufacturer=TDK, Package Quantity=1, Supplier Part Number 1=445-2206-6-ND, Case Code (Imperial)=0805, ComponentLink1Description=https://product.tdk.com/info/en/catalog/datasheets/beads_commercial_power_mpz2012_en.pdf?src-supplier=Digi-Key, ComponentLink1URL=https://product.tdk.com/info/en/catalog/datasheets/beads_commercial_power_mpz2012_en.pdf?src-supplier=Digi-Key, ComponentLink2Description=https://media.digikey.com/pdf/Data%20Sheets/TDK%20PDFs/MPZ_Series_Br.pdf?src-supplier=Digi-Key, ComponentLink2URL=https://media.digikey.com/pdf/Data%20Sheets/TDK%20PDFs/MPZ_Series_Br.pdf?src-supplier=Digi-Key, Height=0.041inch, Impedance=600R, Lead Free="Lead Free", Length=0.079inch, Manufacturer Part Number=MPZ2012S601AT000, Max DC Current=2A, Mount="Surface Mount", Packaging="Tape and Reel", Pricing 1="1=0.11, 10=0.092, 25=0.0824, 50=0.0604, 100=0.0522, 250=0.0412, 500=0.0348, 1000=0.0293 (USD)", REACH SVHC="No SVHC", RoHS Compliant=Yes, Series=MPZ, Stock 1=6524, Supplier 1=Digi-Key, Width=0.049inch
FID1 FID2 FID3 FID4: "Fiducial 40min diameter,120mil mask."
J1 J3: library part M20-7820842, "2.54mm (0.1\") Pitch SIL Vertical PC Tail Socket Assembly, selective gold + tin, 8 contacts", Case/Package=SIL, Color=Black, Contact Resistance=20mR, Manufacturer=Harwin, Max Current Rating=3A, Max Operating Temperature=105°C, Min Operating Temperature=-40°C, Package Quantity=29, Supplier Part Number 1=952-1823-ND, ComponentLink1Description=http://www.harwin.com/include/downloads/drawings/M20-782.PDF?src-supplier=Avnet, ComponentLink1URL=http://www.harwin.com/include/downloads/drawings/M20-782.PDF?src-supplier=Avnet, ComponentLink2Description=https://cdn.harwin.com/pdfs/Harwin_PC_Connectors_M20.pdf?src-supplier=Avnet+Europe, ComponentLink2URL=https://cdn.harwin.com/pdfs/Harwin_PC_Connectors_M20.pdf?src-supplier=Avnet+Europe, Connector Type=Receptacle, Contact Gender=Female, Contact Material=Bronze, Contact Plating=Tin,Gold, Contact Type="Female Socket", Depth=2.5mm, Gender=Female, Housing Color=Black, Housing Material=Polyamide, Length=20.72mm, Manufacturer Part Number=M20-7820842, Mount="Through Hole", Number of Contacts=8, Number of Positions=8, Number of Rows=1, Orientation=Straight, Packaging=Rail/Tube, Pitch=2.54mm, Pricing 1="1=1.18, 10=1.041, 100=0.8977, 500=0.7345, 1000=0.6529, 5000=0.5713, 10000=0.5427 (USD)", Radiation Hardening=No, RoHS Compliant=Yes, Series=M20, Stock 1=773, Supplier 1=Digi-Key, Termination=Solder, Weight=0.025397oz
J2: library part M20-7820646, "06-WAY SIL VERT SOCKET L/FREE", Case/Package=SIL, Color=Black, Contact Resistance=20mR, Manufacturer=Harwin, Max Current Rating=3A, Max Operating Temperature=105°C, Min Operating Temperature=-40°C, Package Quantity=38, Supplier Part Number 1=952-1809-ND, Connector Type=Receptacle, Contact Gender=Female, Contact Material=Bronze, Contact Plating=Tin, Contact Type="Female Socket", Depth=2.5mm, Gender=Female, Housing Color=Black, Housing Material=Nylon, Length=15.64mm, Manufacturer Part Number=M20-7820646, Mount="Through Hole", Number of Contacts=6, Number of Positions=6, Number of Rows=1, Orientation=Straight, Packaging=Rail/Tube, Pitch=2.54mm, Pricing 1="1=1.02, 10=0.899, 100=0.7755, 500=0.6345, 1000=0.564, 5000=0.4935, 10000=0.4688 (USD)", Radiation Hardening=No, RoHS Compliant=Yes, Series=M20, Stock 1=1373, Supplier 1=Digi-Key, Termination=Solder
J4: library part M20-7821046, "HARWIN - M20-7821046 - Board-To-Board Connector, M20 Series, Through Hole, Receptacle, 10, 2.54 mm, Tin Plated Contacts", Case/Package=SIL, Color=Black, Contact Resistance=20mR, Current Rating=3A, Insulation Resistance=1MR, Manufacturer=Harwin, Max Operating Temperature=105°C, Min Operating Temperature=-40°C, Package Quantity=23, Supplier Part Number 1=952-1847-ND, ComponentLink1Description=http://uk.rs-online.com/webdocs/1422/0900766b81422659.pdf?src-supplier=RSComponents, ComponentLink1URL=http://uk.rs-online.com/webdocs/1422/0900766b81422659.pdf?src-supplier=RSComponents, ComponentLink2Description=https://cdn.harwin.com/pdfs/M20-782.pdf?src-supplier=Digi-Key, ComponentLink2URL=https://cdn.harwin.com/pdfs/M20-782.pdf?src-supplier=Digi-Key, ComponentLink3Description=http://www.harwin.com/include/downloads/drawings/M20-782.PDF?src-supplier=Avnet, ComponentLink3URL=http://www.harwin.com/include/downloads/drawings/M20-782.PDF?src-supplier=Avnet, ComponentLink4Description=https://www.verical.com/server-webapp/html/getDatasheet?partID=559226&src-supplier=Verical, ComponentLink4URL=https://www.verical.com/server-webapp/html/getDatasheet?partID=559226&src-supplier=Verical, ComponentLink5Description=https://cdn.harwin.com/pdfs/Harwin_PC_Connectors_M20.pdf?src-supplier=Avnet+Europe, ComponentLink5URL=https://cdn.harwin.com/pdfs/Harwin_PC_Connectors_M20.pdf?src-supplier=Avnet+Europe, Connector Type=Receptacle, Contact Gender=Female, Contact Material=Bronze, Contact Plating=Tin, Contact Type="Female Socket", Depth=2.5mm, Gender=Receptacle, Hole Diameter=0.8mm, Housing Color=Black, Housing Material=Polyamide, Lead Pitch=2.54mm, Length=25.8mm, Manufacturer Part Number=M20-7821046, Mating Cycles=50, Max Current Rating=3A, Mount="Through Hole", Number of Contacts=10, Number of Positions=10, Number of Rows=1, Orientation=Straight, Packaging=Rail/Tube, Pitch=2.54mm, Pricing 1="1=1.29, 10=1.133, 100=0.9777, 500=0.7999, 1000=0.711, 5000=0.6222, 10000=0.5911 (USD)", Radiation Hardening=No, REACH SVHC="No SVHC", Series=M20, Stock 1=139, Supplier 1=Digi-Key, Termination=Solder